# Altium PCB PCB1.PcbDoc (part 2 of 3) (continued)
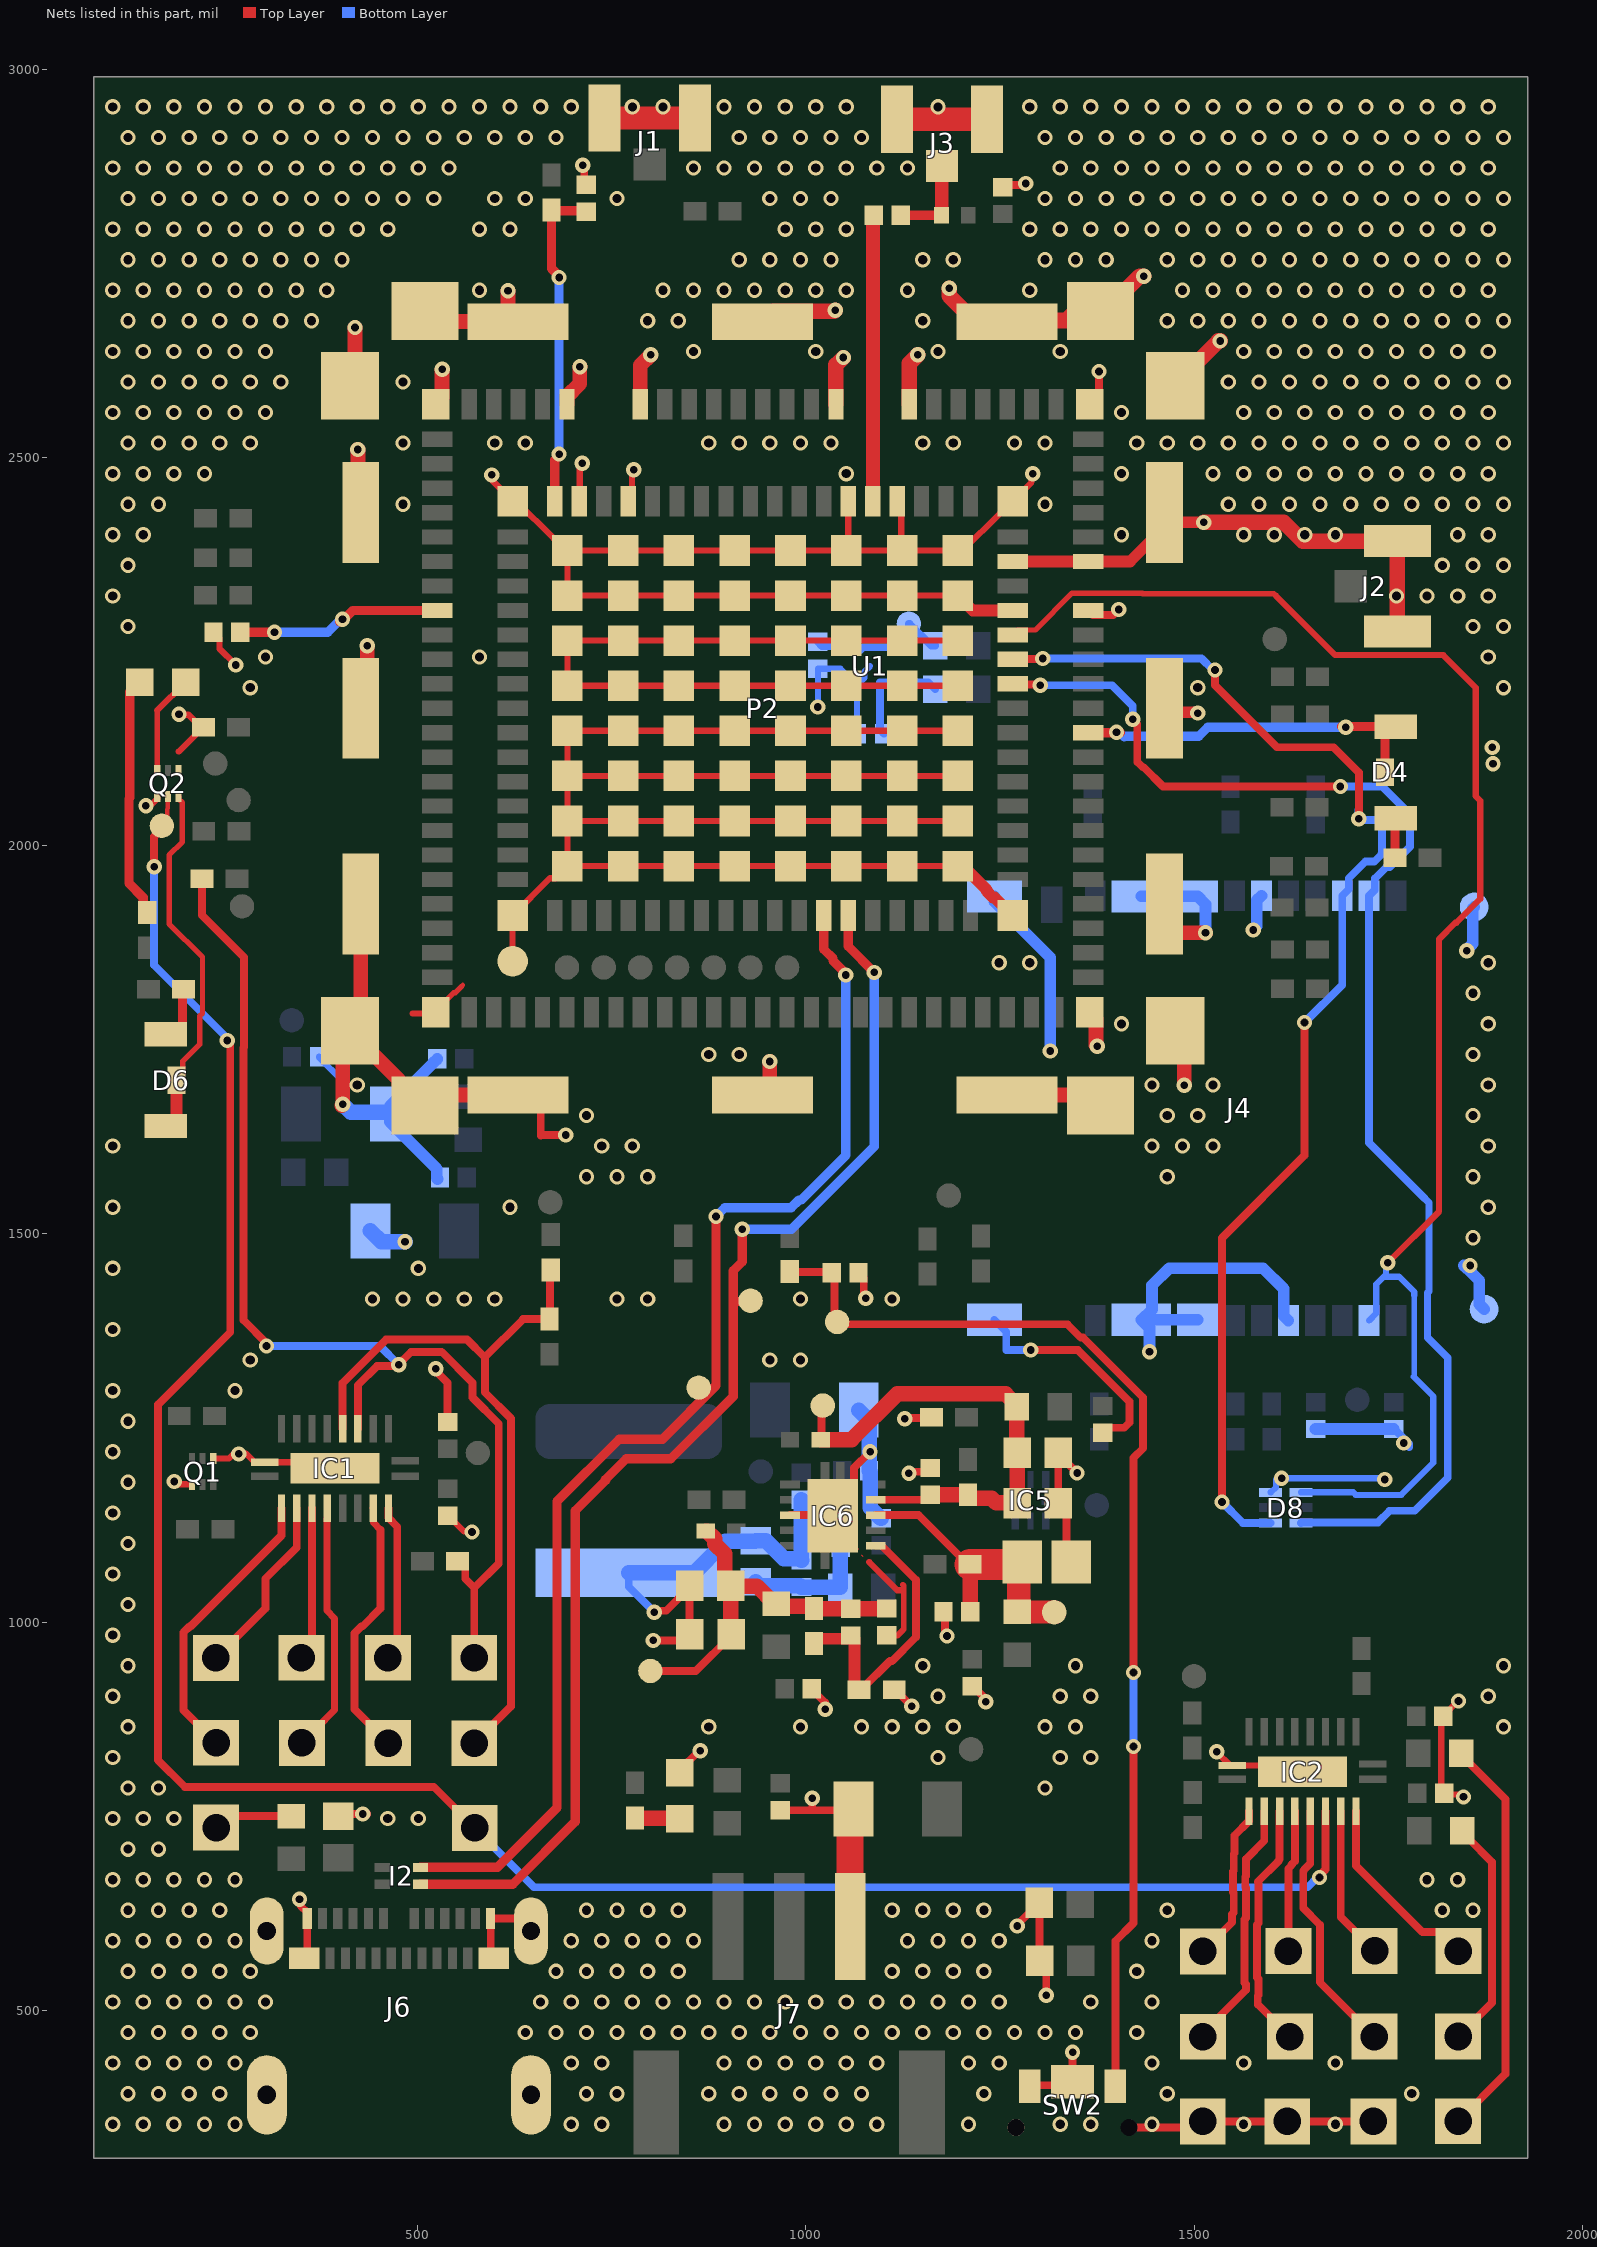
[diagram p2: the nets of this part, all layers, seen from the top]
## Nets (pads, with @x,y where several pads share a name; then routed paths per layer and width w, separated by ;. In a path a pad name is that pad's centre, name@x,y a point inside that pad or via, vN(x,y) a via of type N, cw(c..) or ccw(c..) an arc to the next point about the centre after c; other vN are vias at no path point) (continued)
  Top Layer w10: v2(347.6,643) 349.45,641.15 349.45,634.2 357.61,626.04 357.61,570.92 J6.B12@353.67,566.98 ; C71.1@397.34,749.89 400.25,752.8 v2(429,752.8) v2@434.8,752.8 ; v2(523,1326.2) 523,1325.18 522.2,1324.38 538.32,1308.26 C1.2@538.32,1257.72 ; J6.B1@597.77,566.98 593.83,570.92 J6.A12@593.83,618.17 630.41,618.17 645.8,602.78 J6.S2@645.8,602.02 ; P2.P9@629.21,1678.99 639.83,1678.99 658.45,1660.36 658.45,1626.6 659.25,1627.4 v2(690.6,1627.4) ; v2(712.6,2876.6) 714.45,2874.75 714.45,2853.87 C23.1@717,2851.32 ; v2(803.4,976.4) 842.45,976.4 C48.1@850.45,984.4 850.05,984.8 C47.1@850.05,1046.6 850.05,1044.63 819.87,1014.45 806.25,1014.45 v2(804.4,1012.6) ; D9.2@837.41,806.12 837.41,809.46 862.35,834.4 v2(864,834.4) ; C70.1@966.6,757.68 1008.2,757.68 ; IC6.8@979.6,1137.8 1033.54,1137.8 IC6.11@1034.32,1137.01 1061.82,1164.51 1061.82,1198.62 v2(1082.6,1219.4) ; C44.1@1007.46,914.28 1007.46,913.5 1024.38,896.58 1024.38,888.22 v2(1025,887.6) ; v2(1008.2,773.2) 1008.2,757.68 ; C69.1@1056.45,754.39 1053.16,757.68 1008.2,757.68 ; C28.1@1067.72,1450.2 1074.52,1443.4 1074.52,1421.24 1077,1418.77 v2(1077,1417) ; R48.1@1113.68,913 1114.82,913 v2(1136.2,891.6) ; v2(1127.4,1261.8) 1128.4,1262.8 1160.56,1262.8 R43.1@1161.56,1263.8 ; v2(1132.6,1191.8) 1134.45,1193.65 1155.11,1193.65 C37.1@1159.94,1198.49 ; C42.1@1177.08,1013.2 1179.11,1011.16 1179.11,984.49 v2(1181.6,982) ; C40.1@1214.2,917.35 1214.99,917.35 1229.55,902.79 1229.55,899.05 v2(1231.4,897.2) ; C8.2@1253.2,2848.25 1256.1,2851.15 1281.35,2851.15 v2(1283.2,2853) ; v2(1272.17,608.57) 1272.17,610.05 1300.29,638.17 C11.1@1300.29,638.31 1300.93,637.68 C12.1@1300.93,563.83 1309.6,555.16 v2(1309.6,519.2) ; SW2.1@1288.32,402.15 1289.5,403.33 1320.88,403.33 SW2.3@1325.6,408.06 ; v2(1289.4,1350.4) 1350.29,1350.4 1416.56,1284.13 1416.56,1256.93 1410,1250.37 1389.1,1250.37 C38.1@1382.4,1243.68 ; C39.1@1325,1216.21 v2(1349.2,1192) ; C39.1@1324.99,1218.19 C36.1@1324.99,1153.23 1335.6,1142.62 1335.6,1083.37 C41.1@1341.72,1077.24 ; SW2.3@1343.43,408.06 v2(1343.43,445.97) ; P2.111@1363.46,2303 1369.26,2297.2 1395.8,2297.2 v2(1402.8,2304.2) ; P2.169@1365.43,2568.75 1377.4,2580.72 v2(1377.4,2610.8) ; SW2.5@1416.27,349 1503.18,349 H12.1@1510.98,356.8 H10.1@1619.98,356.8 H14.1@1730.98,356.8
  Top Layer w15: P2.192@1195.64,1973.77 1202.53,1973.77 1233.03,1943.27 1233.03,1941.11 1240.94,1933.2 1243.1,1933.2 P2.68@1266.22,1910.09 ; P2.186@1195.64,2322.19 1214.84,2303 P2.30@1266.22,2303 ; P2.32@1266.22,2365.99 P2.113@1363.46,2365.99 1417.38,2365.99 1461.89,2410.5 P2.P14@1461.89,2428.99 1474.47,2416.4 v2(1512.2,2416.4) ; P2.P13@1461.89,2177.02 1466.95,2171.95 1503.65,2171.95 v2(1504.8,2170.8)
  Top Layer w19: v2@402,1665.4 v2(403.4,1666.8) 403.4,1752.39 P2.P8@412.67,1761.66 ; P2.P7@412.67,2592.37 419.2,2598.9 v2(419.2,2667.4) ; v2(422.8,2510.4) 422.93,2510.27 422.93,2432.51 P2.P18@426.45,2428.99 ; P2.P20@426.45,1925.05 426.45,1775.44 P2.P8@412.67,1761.66 ; P2.P19@426.45,2177.02 434.87,2185.43 434.87,2257.27 v2(435,2257.4) ; P2.P6@509.13,2688.83 522.91,2675.05 P2.P17@629.21,2675.05 616.2,2688.06 v2(616.2,2714.8) ; P2.170@522.91,2568.75 531.13,2576.97 531.13,2612.94 531.6,2613.41 v2(531.6,2613.6) ; P2.P9@629.21,1678.99 522.91,1678.99 P2.P1@509.13,1665.21 503.22,1665.21 475.32,1693.11 475.32,1698.34 412.67,1760.99 P2.P8@412.67,1761.66 ; P2.139@692.2,2568.75 692.2,2578.59 708.67,2595.06 708.67,2616.87 v2(708.8,2617) ; P2.136@786.69,2568.75 786.69,2618.7 800,2632.01 v2(800,2632.2) ; P2.P10@944.17,1678.99 953.4,1688.22 v2(953.4,1722) ; P2.P11@1259.13,1678.99 1365.43,1678.99 P2.P2@1379.21,1665.21 ; P2.168@1365.43,1785.28 1373.64,1777.07 1373.64,1743.34 1375,1741.99 v2(1375,1741.8) ; P2.P12@1461.89,1925.05 1461.89,1902.12 1476.01,1888 v2(1514.6,1888) ; P2.P3@1475.66,1761.66 1487.4,1749.93 v2(1487.4,1691.4)
  Top Layer w20: P2.P16@944.17,2675.05 957.79,2688.67 1036.67,2688.67 v2(1037.6,2689.6) ; P2.128@1038.66,2568.75 1038.66,2619.26 v2(1048.2,2628.8) ; P2.125@1133.14,2568.75 1133.14,2621.34 v2(1144,2632.2) ; v2(1184.6,2718) 1184.6,2708.24 1217.79,2675.05 P2.P15@1259.13,2675.05 1260.55,2676.47 1334.72,2676.47 1347.08,2688.83 1385.11,2688.83 1429.69,2733.4 v2(1435,2733.4) ; P2.P4@1475.66,2592.37 1475.66,2594.45 1531.32,2650.11 v2(1533.4,2650.11) ; v2(1512.2,2416.4) 1615.6,2416.4 1639.73,2392.27 J2.2@1761.8,2392.27 J2.1@1761.8,2276.13
  Top Layer w30: J1.2@740.73,2942.87 746.4,2937.2 851.2,2937.2 856.87,2942.87 J1.1@856.87,2945 ; J3.2@1120.13,2938.34 1122.87,2935.6 1230.07,2935.6 J3.1@1236.27,2941.8
  Top Layer w35: C69.1@1056.45,754.39 1056.7,754.14 J7.3@1056.7,602.79
  Bottom Layer w8: C65.1@372.72,1728.4 372.72,1727.61 403.4,1696.94 v2(403.4,1666.8) ; v2(1015.31,2178.68) C35.1@1015.31,2227.91 1044.38,2227.91 1065.79,2206.5 ; C34.1@1065.79,2144.44 1065.79,2206.5 ; U1.5@1082.47,2231.39 1075.51,2224.44 1075.51,2216.23 1065.79,2206.5 ; D8.6@1598.31,1167.09 1598.9,1167.09 1605.48,1173.67 1605.48,1183.68 1607,1185.2 v2(1612.6,1185.2) 1744,1185.2 v2(1745.6,1183.6)
  Bottom Layer w10: C55.2@771.81,1063.51 771.81,1045.61 804.4,1013.03 v2(804.4,1012.6) ; J4.G5@1242.6,1389.4 1258.05,1373.95 1258.05,1350.4 v2(1289.4,1350.4) ; C30.2@1757.14,1248.64 1757.92,1248.64 1776.95,1229.61 1776.95,1225.65 1772,1230.6 v2(1769.8,1230.6)
  Bottom Layer w15: C51.1@525,1725.8 525,1725.01 520.69,1720.7 520.32,1720.7 463.79,1664.17 C64.1@463.79,1654.33 463.79,1644.49 524.29,1583.99 524.29,1571.9 C50.1@525.43,1570.76 ; J4.G4@1242.6,1934.68 1242.6,1928.19 1314.8,1855.99 v2(1314.8,1735.6) ; J4.G3@1431.97,1934.68 J4.G2@1504.41,1934.68 1514.6,1924.49 v2(1514.6,1888) ; v2(1442.4,1348.2) 1442.4,1378.97 J4.G6@1431.97,1389.4 ; J4.G7@1504.41,1389.4 J4.G6@1431.97,1389.4 ; v2(1576.2,1891.4) 1576.2,1891.71 1580.81,1896.32 1580.81,1929.77 J4.T6@1586.69,1935.66 ; J4.S5@1621.34,1388.42 1615.45,1394.3 1615.45,1429.23 1588.74,1455.94 1467.73,1455.94 1445.65,1433.86 1445.65,1402.57 1432.48,1389.4 J4.G6@1431.97,1389.4 ; C33.1@1656.34,1248.64 C30.2@1757.14,1248.64 ; v2(1851.2,1864.8) 1851.2,1866.07 1858.96,1873.83 1858.96,1919.34 J4.G1@1860.71,1921.09 ; v2(1855.4,1459.2) 1847.33,1459.2 1850.38,1456.15 1851.01,1456.15 1867.16,1440.01 1867.16,1409.33 J4.G8@1873.51,1402.98
  Bottom Layer w20: v2(403.4,1666.8) 413.36,1656.84 461.28,1656.84 C64.1@463.79,1654.33 ; C49.1@438.99,1503.94 452.92,1490 v2(483.6,1490) ; C55.2@771.81,1063.51 856.36,1063.51 892,1099.15 892,1099.74 896.24,1103.98 934.41,1103.98 C58.1@935.2,1104.77 948.47,1104.77 971.66,1081.58 992.44,1081.58 C56.1@994.25,1079.77 ; C56.1@993.86,1080.17 994.06,1080.36 994.06,1157.53 C61.1@993.86,1157.73 ; C59.1@1067.88,1273.08 1081.26,1259.69 C60.1@1081.26,1194.73 1082.9,1193.1 1082.9,1147.03 1096.22,1133.71 C57.1@1097.01,1133.71
  other v1: 107.07,353.22 146.44,353.22 185.81,353.22 225.18,353.22 264.55,353.22 697.62,353.22 736.99,353.22 894.47,353.22 933.84,353.22 973.21,353.22 1012.58,353.22 1051.95,353.22 1091.32,353.22 1209.43,353.22 1327.54,353.22 1366.91,353.22 1445.65,353.22 1563.76,353.22 1681.87,353.22 126.75,392.59 166.12,392.59 205.49,392.59 244.86,392.59 717.3,392.59 756.67,392.59 874.78,392.59 914.15,392.59 953.52,392.59 992.89,392.59 1032.27,392.59 1071.64,392.59 1229.12,392.59 1465.34,392.59 1780.3,392.59 107.07,431.96 146.44,431.96 185.81,431.96 225.18,431.96 264.55,431.96 697.62,431.96 736.99,431.96 894.47,431.96 933.84,431.96 973.21,431.96 1012.58,431.96 1051.95,431.96 1091.32,431.96 1209.43,431.96 1248.8,431.96 1445.65,431.96 1563.76,431.96 1681.87,431.96 126.75,471.33 166.12,471.33 205.49,471.33 244.86,471.33 284.23,471.33 638.56,471.33 677.93,471.33 717.3,471.33 756.67,471.33 796.04,471.33 835.41,471.33 874.78,471.33 914.15,471.33 953.52,471.33 992.89,471.33 1032.27,471.33 1071.64,471.33 1111.01,471.33 1150.38,471.33 1189.75,471.33 1229.12,471.33 1268.49,471.33 1307.86,471.33 1347.23,471.33 1425.97,471.33 107.07,510.7 146.44,510.7 185.81,510.7 225.18,510.7 264.55,510.7 303.92,510.7 658.25,510.7 697.62,510.7 736.99,510.7 776.36,510.7 815.73,510.7 855.1,510.7 894.47,510.7 933.84,510.7 973.21,510.7 1012.58,510.7 1051.95,510.7 1091.32,510.7 1130.69,510.7 1170.06,510.7 1209.43,510.7 1248.8,510.7 1366.91,510.7 1445.65,510.7 126.75,550.07 166.12,550.07 205.49,550.07 244.86,550.07 284.23,550.07 677.93,550.07 717.3,550.07 756.67,550.07 796.04,550.07 835.41,550.07 1111.01,550.07 1150.38,550.07 1189.75,550.07 1229.12,550.07 1425.97,550.07 107.07,589.44 146.44,589.44 185.81,589.44 225.18,589.44 264.55,589.44 697.62,589.44 736.99,589.44 776.36,589.44 815.73,589.44 855.1,589.44 1130.69,589.44 1170.06,589.44 1209.43,589.44 1248.8,589.44 1445.65,589.44 126.75,628.81 166.12,628.81 205.49,628.81 244.86,628.81 717.3,628.81 756.67,628.81 796.04,628.81 835.41,628.81 1111.01,628.81 1150.38,628.81 1189.75,628.81 1229.12,628.81 1465.34,628.81 1819.67,628.81 1859.04,628.81 107.07,668.18 146.44,668.18 185.81,668.18 225.18,668.18 264.55,668.18 1799.98,668.18 1839.35,668.18 126.75,707.55 166.12,707.55 107.07,746.92 146.44,746.92 185.81,746.92 461.4,746.92 500.77,746.92 126.75,786.29 166.12,786.29 1307.86,786.29 107.07,825.66 1170.06,825.66 1327.54,825.66 1366.91,825.66 126.75,865.03 874.78,865.03 992.89,865.03 1071.64,865.03 1111.01,865.03 1150.38,865.03 1189.75,865.03 1307.86,865.03 1347.23,865.03 1898.41,865.03 107.07,904.4 1170.06,904.4 1327.54,904.4 1366.91,904.4 1878.72,904.4 126.75,943.77 1150.38,943.77 1347.23,943.77 1898.41,943.77 107.07,983.14 126.75,1022.51 107.07,1061.88 126.75,1101.25 107.07,1140.62 126.75,1179.99 107.07,1219.36 126.75,1258.73 107.07,1298.11 264.55,1298.11 284.23,1337.48 953.52,1337.48 992.89,1337.48 107.07,1376.85 441.71,1416.22 481.08,1416.22 520.45,1416.22 559.82,1416.22 599.19,1416.22 756.67,1416.22 796.04,1416.22 992.89,1416.22 1111.01,1416.22 107.07,1455.59 500.77,1455.59 1859.04,1494.96 107.07,1534.33 618.88,1534.33 1878.72,1534.33 717.3,1573.7 756.67,1573.7 796.04,1573.7 1465.34,1573.7 1859.04,1573.7 107.07,1613.07 736.99,1613.07 776.36,1613.07 1445.65,1613.07 1485.02,1613.07 1524.39,1613.07 1878.72,1613.07 717.3,1652.44 1465.34,1652.44 1504.71,1652.44 1859.04,1652.44 422.03,1691.81 1445.65,1691.81 1524.39,1691.81 1878.72,1691.81 874.78,1731.18 914.15,1731.18 1859.04,1731.18 1406.28,1770.55 1878.72,1770.55 1859.04,1809.92 1248.8,1849.29 1288.17,1849.29 1878.72,1849.29 284.23,2203.62 1504.71,2203.62 1898.41,2203.62 303.92,2242.99 579.51,2242.99 1878.72,2242.99 126.75,2282.36 1859.04,2282.36 1898.41,2282.36 107.07,2321.73 1760.61,2321.73 1799.98,2321.73 1839.35,2321.73 1878.72,2321.73 126.75,2361.1 1819.67,2361.1 1859.04,2361.1 1898.41,2361.1 107.07,2400.47 146.44,2400.47 1406.28,2400.47 1563.76,2400.47 1603.13,2400.47 1642.5,2400.47 1681.87,2400.47 1839.35,2400.47 1878.72,2400.47 126.75,2439.84 166.12,2439.84 481.08,2439.84 1307.86,2439.84 1544.08,2439.84 1583.45,2439.84 1622.82,2439.84 1662.19,2439.84 1701.56,2439.84 1740.93,2439.84 1780.3,2439.84 1819.67,2439.84 1859.04,2439.84 1898.41,2439.84 107.07,2479.21 146.44,2479.21 185.81,2479.21 225.18,2479.21 1051.95,2479.21 1406.28,2479.21 1524.39,2479.21 1563.76,2479.21 1603.13,2479.21 1642.5,2479.21 1681.87,2479.21 1721.24,2479.21 1760.61,2479.21 1799.98,2479.21 1839.35,2479.21 1878.72,2479.21 126.75,2518.58 166.12,2518.58 205.49,2518.58 244.86,2518.58 284.23,2518.58 481.08,2518.58 599.19,2518.58 638.56,2518.58 874.78,2518.58 914.15,2518.58 953.52,2518.58 992.89,2518.58 1032.27,2518.58 1150.38,2518.58 1189.75,2518.58 1268.49,2518.58 1307.86,2518.58 1425.97,2518.58 1465.34,2518.58 1504.71,2518.58 1544.08,2518.58 1583.45,2518.58 1622.82,2518.58 1662.19,2518.58 1701.56,2518.58 1740.93,2518.58 1780.3,2518.58 1819.67,2518.58 1859.04,2518.58 1898.41,2518.58 107.07,2557.95 146.44,2557.95 185.81,2557.95 225.18,2557.95 264.55,2557.95 303.92,2557.95 1406.28,2557.95 1563.76,2557.95 1603.13,2557.95 1642.5,2557.95 1681.87,2557.95 1721.24,2557.95 1760.61,2557.95 1799.98,2557.95 1839.35,2557.95 1878.72,2557.95 126.75,2597.32 166.12,2597.32 205.49,2597.32 244.86,2597.32 284.23,2597.32 323.6,2597.32 481.08,2597.32 1544.08,2597.32 1583.45,2597.32 1622.82,2597.32 1662.19,2597.32 1701.56,2597.32 1740.93,2597.32 1780.3,2597.32 1819.67,2597.32 1859.04,2597.32 1898.41,2597.32 107.07,2636.69 146.44,2636.69 185.81,2636.69 225.18,2636.69 264.55,2636.69 303.92,2636.69 855.1,2636.69 1012.58,2636.69 1170.06,2636.69 1327.54,2636.69 1563.76,2636.69 1603.13,2636.69 1642.5,2636.69 1681.87,2636.69 1721.24,2636.69 1760.61,2636.69 1799.98,2636.69 1839.35,2636.69 1878.72,2636.69 126.75,2676.06 166.12,2676.06 205.49,2676.06 244.86,2676.06 284.23,2676.06 323.6,2676.06 362.97,2676.06 796.04,2676.06 835.41,2676.06 1150.38,2676.06 1465.34,2676.06 1504.71,2676.06 1544.08,2676.06 1583.45,2676.06 1622.82,2676.06 1662.19,2676.06 1701.56,2676.06 1740.93,2676.06 1780.3,2676.06 1819.67,2676.06 1859.04,2676.06 1898.41,2676.06 107.07,2715.43 146.44,2715.43 185.81,2715.43 225.18,2715.43 264.55,2715.43 303.92,2715.43 343.29,2715.43 382.66,2715.43 579.51,2715.43 815.73,2715.43 855.1,2715.43 894.47,2715.43 933.84,2715.43 973.21,2715.43 1012.58,2715.43 1051.95,2715.43 1130.69,2715.43 1288.17,2715.43 1485.02,2715.43 1524.39,2715.43 1563.76,2715.43 1603.13,2715.43 1642.5,2715.43 1681.87,2715.43 1721.24,2715.43 1760.61,2715.43 1799.98,2715.43 1839.35,2715.43 1878.72,2715.43 126.75,2754.8 166.12,2754.8 205.49,2754.8 244.86,2754.8 284.23,2754.8 323.6,2754.8 362.97,2754.8 402.34,2754.8 914.15,2754.8 953.52,2754.8 992.89,2754.8 1032.27,2754.8 1150.38,2754.8 1189.75,2754.8 1307.86,2754.8 1347.23,2754.8 1386.6,2754.8 1465.34,2754.8 1504.71,2754.8 1544.08,2754.8 1583.45,2754.8 1622.82,2754.8 1662.19,2754.8 1701.56,2754.8 1740.93,2754.8 1780.3,2754.8 1819.67,2754.8 1859.04,2754.8 1898.41,2754.8 107.07,2794.17 146.44,2794.17 185.81,2794.17 225.18,2794.17 264.55,2794.17 303.92,2794.17 343.29,2794.17 382.66,2794.17 422.03,2794.17 461.4,2794.17 579.51,2794.17 618.88,2794.17 973.21,2794.17 1012.58,2794.17 1051.95,2794.17 1288.17,2794.17 1327.54,2794.17 1366.91,2794.17 1406.28,2794.17 1445.65,2794.17 1485.02,2794.17 1524.39,2794.17 1563.76,2794.17 1603.13,2794.17 1642.5,2794.17 1681.87,2794.17 1721.24,2794.17 1760.61,2794.17 1799.98,2794.17 1839.35,2794.17 1878.72,2794.17 126.75,2833.54 166.12,2833.54 205.49,2833.54 244.86,2833.54 284.23,2833.54 323.6,2833.54 362.97,2833.54 402.34,2833.54 441.71,2833.54 481.08,2833.54 520.45,2833.54 599.19,2833.54 638.56,2833.54 756.67,2833.54 953.52,2833.54 992.89,2833.54 1032.27,2833.54 1307.86,2833.54 1347.23,2833.54 1386.6,2833.54 1425.97,2833.54 1465.34,2833.54 1504.71,2833.54 1544.08,2833.54 1583.45,2833.54 1622.82,2833.54 1662.19,2833.54 1701.56,2833.54 1740.93,2833.54 1780.3,2833.54 1819.67,2833.54 1859.04,2833.54 1898.41,2833.54 107.07,2872.91 146.44,2872.91 185.81,2872.91 225.18,2872.91 264.55,2872.91 303.92,2872.91 343.29,2872.91 382.66,2872.91 422.03,2872.91 461.4,2872.91 500.77,2872.91 540.14,2872.91 855.1,2872.91 894.47,2872.91 933.84,2872.91 973.21,2872.91 1012.58,2872.91 1051.95,2872.91 1091.32,2872.91 1130.69,2872.91 1327.54,2872.91 1366.91,2872.91 1406.28,2872.91 1445.65,2872.91 1485.02,2872.91 1524.39,2872.91 1563.76,2872.91 1603.13,2872.91 1642.5,2872.91 1681.87,2872.91 1721.24,2872.91 1760.61,2872.91 1799.98,2872.91 1839.35,2872.91 1878.72,2872.91 126.75,2912.28 166.12,2912.28 205.49,2912.28 244.86,2912.28 284.23,2912.28 323.6,2912.28 362.97,2912.28 402.34,2912.28 441.71,2912.28 481.08,2912.28 520.45,2912.28 559.82,2912.28 599.19,2912.28 638.56,2912.28 677.93,2912.28 914.15,2912.28 953.52,2912.28 992.89,2912.28 1032.27,2912.28 1071.64,2912.28 1307.86,2912.28 1347.23,2912.28 1386.6,2912.28 1425.97,2912.28 1465.34,2912.28 1504.71,2912.28 1544.08,2912.28 1583.45,2912.28 1622.82,2912.28 1662.19,2912.28 1701.56,2912.28 1740.93,2912.28 1780.3,2912.28 1819.67,2912.28 1859.04,2912.28 1898.41,2912.28 107.07,2951.65 146.44,2951.65 185.81,2951.65 225.18,2951.65 264.55,2951.65 303.92,2951.65 343.29,2951.65 382.66,2951.65 422.03,2951.65 461.4,2951.65 500.77,2951.65 540.14,2951.65 579.51,2951.65 618.88,2951.65 658.25,2951.65 697.62,2951.65 776.36,2951.65 815.73,2951.65 894.47,2951.65 933.84,2951.65 973.21,2951.65 1012.58,2951.65 1051.95,2951.65 1170.06,2951.65 1288.17,2951.65 1327.54,2951.65 1366.91,2951.65 1406.28,2951.65 1445.65,2951.65 1485.02,2951.65 1524.39,2951.65 1563.76,2951.65 1603.13,2951.65 1642.5,2951.65 1681.87,2951.65 1721.24,2951.65 1760.61,2951.65 1799.98,2951.65 1839.35,2951.65 1878.72,2951.65
  other v2: 1885,2105.4 1884,2126.6
NetC7_1: C7.1 J3.3 L1.2 | length 121.5
  Top Layer w12: C7.1@1122,2812.2 1122.1,2812.1 1174.18,2812.1 1174.28,2812.2 L1.2@1174.48,2812
  Top Layer w18: L1.2@1174.48,2812 1174.87,2812.4 J3.3@1174.87,2880.68
NetC7_2: C7.2 P2.38 | length 368.9
  Top Layer w18: P2.38@1085.9,2443.95 1086.63,2444.67 1086.63,2811.47 C7.2@1087.35,2812.2
NetC21_2: C21.2 P2.151 | length 273.3
  Top Layer w12: C21.2@271.43,2274.95 271.56,2275.07 317.07,2275.07 317,2275 v2(315.4,2275) ; v2@399.6,2288.4 v2(403,2291.8) 405.08,2291.8 416.28,2303 P2.151@524.88,2303
  Bottom Layer w12: v2(315.4,2275) 384.12,2275 400.92,2291.8 v2(403,2291.8)
NetC23_2: C23.2 P2.51 R19.2 | length 426.6
  Top Layer w12: P2.51@676.45,2443.95 676.45,2496.77 682,2502.32 v2(682,2504.4) ; v2(682,2731.8) 682,2733.88 672.31,2743.57 R19.2@672.31,2818.67 673.31,2817.68 716,2817.68 C23.2@717,2816.68
  Bottom Layer w12: v2(682,2504.4) v2(682,2731.8)
NetC28_2: C28.2 R21.1 SW2.2 TP22.1 | length 1457.2
  Top Layer w10: R21.1@979.11,1451.35 979.69,1450.77 1032.5,1450.77 C28.2@1033.08,1450.2 1036.59,1446.68 1036.59,1390.07 TP22.1@1040.11,1386.55 1042.95,1383.72 1336.77,1383.72 1354.09,1366.4 1356.92,1366.4 1434.2,1289.12 1434.2,1223.88 1421.8,1211.48 v2(1421.8,935) ; SW2.2@1398.55,402.15 1398.55,589.06 1421.8,612.31 v2(1421.8,839.8)
  Bottom Layer w10: v2(1421.8,839.8) v2(1421.8,935)
NetC34_2: C34.2 L15.1 U1.1 | length 143.1
  Bottom Layer w10: C34.2@1100.44,2144.44 1095.51,2149.36 U1.1@1095.51,2210.64 1157.4,2210.64 L15.1@1166.6,2201.44
NetC35_2: C35.2 L14.1 TP27.1 U1.3 U1.4 | length 186.3
  Bottom Layer w10: C35.2@1015.31,2262.56 1020.68,2257.2 1042.91,2257.2 1048.47,2251.64 U1.3@1069.92,2251.64 1073.92,2255.64 1110,2255.64 1132.6,2278.24 TP27.1@1132.6,2286 1133.26,2286 1161.42,2257.84 L14.1@1166.6,2257.84
NetC36_2: C36.2 C37.2 C39.2 IC6.4 L2.1 L6.1 R42.1 TP28.1 | length 645.4
  Top Layer w10: L6.1@1018.82,1234.88 1020.12,1236.18 1020.12,1277.27 TP28.1@1021.74,1278.89 ; IC6.4@1089.84,1157.49 1089.91,1157.56 1153.66,1157.56 C37.2@1159.94,1163.84
  Top Layer w20: L6.1@1018.82,1234.88 1018.91,1234.98 1058.77,1234.98 1117.6,1293.8 1257.23,1293.8 1271.58,1279.45 L2.1@1271.58,1277.49 1271.71,1277.35 1271.71,1218.32 C39.2@1271.84,1218.19 C36.2@1271.84,1153.23 1271.47,1153.59 1245.16,1153.59 1239.55,1159.2 1210.41,1159.2 1208.6,1161.01 1208.6,1163.84 1208.54,1163.9 1160,1163.9 C37.2@1159.94,1163.84
NetC41_2: C41.2 C42.2 IC6.3 L5.2 R44.1 TP30.1 | length 388
  Top Layer w10: IC6.3@1089.84,1137.8 1145.09,1137.8 1208.48,1074.4 R44.1@1211.44,1074.4
  Top Layer w20: R44.1@1211.44,1074.4 1211.58,1074.26 1211.58,1013.34 C42.2@1211.72,1013.2
  Top Layer w30: C41.2@1274.09,1073.52 1274.09,1013.79 1273.34,1013.04 L5.2@1271.94,1013.04 1272.12,1012.86 1319.76,1012.86 TP30.1@1319.94,1012.69
  Top Layer w40: R44.1@1211.44,1074.4 1275.89,1074.4 C41.2@1278.73,1077.24
NetC43_2: C43.2 C45.2 C47.2 C48.2 L3.2 L4.1 R46.2 TP29.1 | length 478.5
  Top Layer w10: TP29.1@799.6,937 858.17,937 903.6,982.43 C48.2@903.6,984.4
  Top Layer w20: L3.2@870.91,1117.2 L3.2@872.57,1117.2 ; L3.2@872.73,1117.04 882.47,1107.29 882.47,1100.73 895.48,1087.72 895.48,1054.32 C47.2@903.2,1046.6 ; C48.2@903.6,984.4 903.4,984.6 903.4,1046.4 C47.2@903.2,1046.6 ; C45.2@1050.37,1017.37 R46.2@1010.4,1017.44 1010.4,1018.59 1008.59,1020.4 969.32,1020.4 965.2,1024.52 958.47,1024.52 936.76,1046.24 903.56,1046.24 C47.2@903.2,1046.6 ; C45.2@1057.4,1017.32 1057.5,1017.42 1103.9,1017.42 C43.2@1104,1017.52
NetC45_1: C45.1 IC6.1 R46.1 R48.2 | length 369.8
  Top Layer w10: R48.2@1071.59,913.24 1108.22,949.87 1110.96,949.87 1141.6,980.51 1141.6,1054.38 1097.55,1098.43 IC6.1@1089.84,1098.43
  Top Layer w15: R46.1@1010.4,972.16 1010.4,974.06 1014.71,978.37 1053.88,978.37 1058.19,982.68 1062.5,978.37 1062.5,917.31 1066.81,913 R48.2@1068.4,913
NetC56_2: C56.2 C58.2 L8.2 R49.1 | length 165.3
  Bottom Layer w20: C58.2@935.2,1051.62 939.88,1046.94 992.44,1046.94 C56.2@994.25,1045.13 L8.2@1044.25,1045.13 1044.45,1045.32 1044.45,1098.28 R49.1@1044.65,1098.47
NetD4_1: D4.1 D4.3 P2.106 | length 469.4
  Top Layer w12: P2.106@1363.46,2145.52 1404.68,2145.52 1404,2146.2 v2(1400,2146.2) ; v2@1690.06,2153.46 D4.1@1755.55,2153.46 ; D4.3@1745.8,2094.4 1745.8,2143.71 D4.1@1755.55,2153.46 ; D4.1@1759.58,2153.46 D4.1@1755.55,2153.46
  Bottom Layer w12: 1409.91,2140.31 1410.56,2140.96 1430.05,2140.96 1430.13,2141.04 1505.93,2141.04 1517.49,2152.6 v2(1695.4,2152.6)
NetD4_2: D4.2 R18.1 | length 51.2
  Top Layer w12: R18.1@1758.6,1984.6 1758.6,2034.37 D4.2@1759.58,2035.34
NetD6_1: D6.1 D6.3 Q2.3 | length 474.1
  Top Layer w7: D6.3@189.2,1698 197.51,1706.31 197.51,1722.4 219.06,1743.95 219.06,1780.53 222.7,1784.18 222.7,1856.4 179.8,1899.31 179.8,1988 196.85,2005.05 196.85,2055.58 191.98,2060.45 Q2.3@191.98,2063.4
  Top Layer w15: D6.1@175.42,1638.94 180.95,1638.94 189.2,1647.19 D6.3@189.2,1698
NetD6_2: D6.2 R32.1 | length 74.6
  Top Layer w12: D6.2@175.42,1757.06 187.23,1757.06 196.98,1766.8 196.98,1813.74 R32.1@198.44,1815.2
NetD7_1: D7.1 R33.1 | length 312.4
  Top Layer w12: D7.1@141.6,2210.8 128.96,2198.16 128.96,2061.65 127.96,2060.65 127.96,1951.64 146.21,1933.39 146.21,1919.23 R33.1@151.6,1913.84
NetD7_2: D7.2 Q2.6 | length 129.1
  Top Layer w7: Q2.6@164.42,2096.86 164.42,2174.17
  Top Layer w8: 164.42,2174.17 D7.2@201.05,2210.8
NetD8_1: D8.1 J4.S2 P2.29 | length 2013.6
  Top Layer w7: P2.29@1266.22,2271.51 1272.56,2277.85 1295.34,2277.85 1342.72,2325.22 1433,2325.22 1433.86,2324.36 1602.84,2324.36 1605.36,2321.84
  Top Layer w8: 1605.36,2321.84 1681.74,2245.46 1820.74,2245.46 1862.64,2203.56 1862.64,2063.9 1868.52,2058.02 1868.52,1931.39 1837.77,1900.64 1836.35,1900.64 1815.36,1879.65 1815.36,1528.76 v2(1749.4,1462.8)
  Bottom Layer w7: 1783.4,1315.96 1783.4,1421.03
  Bottom Layer w8: D8.1@1637.69,1167.09 1704.92,1167.09 1708.25,1163.76 1766.62,1163.76 1808.06,1205.2 1808.06,1290.62 1782.72,1315.96 ; J4.S2@1725.28,1388.42 1734.66,1397.8 1734.66,1435.26 1744.12,1444.72 ; v2(1749.4,1462.8) 1747.16,1460.56 1747.16,1447.76 1744.12,1444.72 ; 1783.4,1421.03 1783.4,1425.26 1763.94,1444.72 1744.12,1444.72
NetD8_3: D8.3 J4.S3 P2.27 | length 1755.8
  Top Layer w10: P2.27@1266.22,2208.51 1267.07,2207.66 1300.74,2207.66 v2(1301.6,2206.8) ; v2(1421,2162.8) 1426.8,2157 1426.8,2107.96 1433.71,2101.06 1435.12,2101.06 1459.89,2076.29 1688.31,2076.29 v2(1688.4,2076.2)
  Bottom Layer w9: 1796.72,1545.91 1802.5,1540.13 1802.5,1426 1800.75,1424.25 1800.75,1400.22 1800.75,1366.39
  Bottom Layer w10: v2(1301.6,2206.8) 1394.2,2206.8 1421,2180 v2(1421,2162.8) ; D8.3@1637.69,1127.71 1638.18,1128.2 1736.67,1128.2 1751.71,1143.24 1784.04,1143.24 1826.64,1185.84 1826.64,1340.49 1800.75,1366.39 ; v2(1688.4,2076.2) 1742.4,2076.2 1778,2040.6 1778,1998.6 1751.8,1972.4 1747.42,1972.4 1732.62,1957.6 1732.62,1943 J4.S3@1725.28,1935.66 1725.28,1617.35 1796.72,1545.91
NetD8_4: D8.4 J4.S7 P2.28 | length 1661.4
  Top Layer w10: P2.28@1266.22,2240.01 1266.81,2240.6 1304.2,2240.6 v2(1304.8,2241.2) ; v2(1526.8,2226.4) 1526.8,2206.8 1606.7,2126.9 1679.5,2126.9 1712.18,2094.22 v2(1712.18,2034.88) ; v2(1535.8,1154.6) 1535.8,1494.7 1642.2,1601.1 v2(1642.2,1772.2)
  Bottom Layer w10: v2(1304.8,2241.2) 1509.38,2241.2 1524.18,2226.4 v2(1526.8,2226.4) ; v2(1535.8,1154.6) 1562.69,1127.71 D8.4@1598.31,1127.71 ; v2(1642.2,1772.2) 1690.63,1820.63 J4.S7@1690.63,1935.66 1699.02,1944.05 1699.02,1958.03 1720.53,1979.54 1731.93,1979.54 1740.79,1988.4 1741,1988.4 1742.12,1989.52 1742.12,2026.95 1736.03,2033.03 1714.03,2033.03 v2(1712.18,2034.88) 1711.6,2035.46 1711.6,2046.4
NetD9_1: D9.1 R50.1 | length 58.1
  Top Layer w20: R50.1@779.8,747.8 780.37,747.23 836.84,747.23 D9.1@837.41,746.67
NetH1_1: H1.1 IC2.17 Q2.2 TP24.1 | length 2986.6
  Top Layer w6: TP24.1@177.1,2028.5 177.1,2047.07 178.14,2048.12 Q2.2@178.14,2063.4
  Top Layer w8: TP24.1@172.6,2024 TP24.1@177.1,2028.5
  Top Layer w10: v2(160.4,1973) 160.4,2011.8 TP24.1@172.6,2024 ; v2(254.4,1749) 255.4,1749 258.44,1745.96 258.44,1373.21 165.36,1280.13 165.36,822.2 199.89,787.67 520.53,787.67 H1.1@573.4,734.8 ; v2(1661.4,671) 1661.4,673.62 1669.13,681.35 IC2.17@1669.13,756.22
  Bottom Layer w10: v2(160.4,1973) 160.4,1846.2 255.4,1751.2 254.4,1750.2 v2(254.4,1749) ; H1.1@573.4,734.8 649.67,658.53 1646.31,658.53 1658.78,671 v2(1661.4,671)
NetH2_1: H2.1 IC2.15 | length 183.5
  Top Layer w10: H2.1@1621.4,576.2 1621.4,682.21 1624.56,685.37 1624.56,686.26 1626.07,687.77 1626.07,688.29 1629.76,691.98 IC2.15@1629.76,756.22
NetH3_1: H3.1 IC2.16 | length 331.9
  Top Layer w10: IC2.16@1649.44,756.22 1649.44,689.04 1642.07,681.67 1642.07,681.15 1640.56,679.63 1640.56,631.65 1661.93,610.28 1661.93,536.27 H3.1@1732.2,466
NetH4_1: H4.1 L11.2 | length 102.7
  Top Layer w10: H4.1@240.2,735.2 255.04,750.04 L11.2@336.74,750.04
NetH5_1: H5.1 IC2.18 | length 198
  Top Layer w10: IC2.18@1688.81,756.22 1688.81,620.19 H5.1@1732.6,576.4
NetH6_1: H6.1 L12.2 | length 285.9
  Top Layer w10: H6.1@1840,466.2 1883.55,509.75 1883.55,690.84 L12.2@1852.96,721.43
NetH7_1: H7.1 IC2.19 | length 247.5
  Top Layer w10: IC2.19@1708.5,756.22 1708.5,686.2 1793.97,600.73 1815.87,600.73 H7.1@1840.4,576.2
NetH8_1: H8.1 L13.2 | length 522.7
  Top Layer w10: H8.1@1840,357 1901,418 1901,771.79 1843.96,828.83 L13.2@1843.96,830.8
NetH9_1: H9.1 IC1.18 | length 339.2
  Top Layer w9: IC1.18@442.54,1146.68 442.76,1146.45 442.76,1128.02 452,1118.79
  Top Layer w10: 452,1118.79 452,1017.6 428.93,994.53 427.52,994.53 418.45,985.46 418.45,887.75 H9.1@462,844.2
NetH11_1: H11.1 IC1.19 | length 202.4
  Top Layer w10: H11.1@461.6,954 473.6,966 473.6,1122.86 462.23,1134.23 IC1.19@462.23,1146.68
NetH13_1: H13.1 IC2.12 | length 205.9
  Top Layer w10: H13.1@1511.2,575.8 1548.87,613.47 1548.87,623.54 1550.87,625.54 1550.87,651.06 1549.87,652.06 1549.87,678.56 1550.87,679.56 1550.87,701.53 1551.87,702.53 1551.87,724.95 1570.7,743.78 IC2.12@1570.7,756.22
NetH15_1: H15.1 IC2.13 | length 325.7
  Top Layer w10: H15.1@1511.2,465.8 1511.2,470.51 1566.87,526.18 1566.87,533.49 1564.87,535.49 1564.87,616.91 1566.87,618.91 1566.87,657.68 1565.87,658.68 1565.87,671.94 1566.87,672.94 1566.87,694.9 1590.39,718.42 IC2.13@1590.39,756.22
NetH16_1: H16.1 IC1.5 R12.1 R15.2 | length 973.3
  Top Layer w10: IC1.5@403.17,1249.03 403.17,1307.97 459.2,1364 563.4,1364 586.41,1340.99 ; H16.1@572.8,844 620.15,891.35 620.15,1262.16 586.41,1295.89 586.41,1340.99 ; R15.2@671.31,1453.71 670.46,1452.86 670.46,1391.06 R12.1@669.6,1390.2 635.63,1390.2 586.41,1340.99
NetH17_1: H17.1 IC1.4 R14.2 R17.1 | length 1489.9
  Top Layer w10: R14.2@222.04,1957.35 222.04,1910.5 276.24,1856.29 276.24,1740.37 275.64,1739.77 275.64,1388.76 305.2,1359.2 v2(305.2,1355.6) ; IC1.4@422.86,1249.03 422.86,1305.03 447.57,1329.75 473.15,1329.75 491.4,1348 530.68,1348 570.41,1308.26 570.41,1289.26 604.15,1255.53 604.15,1075.39 572.8,1044.04 ; R17.1@541.04,1075.8 556.59,1075.8 561,1071.39 561,1055.84 572.8,1044.04 ; H17.1@572.8,954 572.8,1044.04
  Bottom Layer w10: v2(305.2,1355.6) 451.4,1355.6 v2(475.4,1331.6)
NetH18_1: H18.1 IC1.12 | length 372.5
  Top Layer w10: H18.1@240.2,844.6 198.27,886.53 198.27,986.68 205.92,994.33 207.33,994.33 324.43,1111.42 IC1.12@324.43,1146.68
NetH19_1: H19.1 IC1.13 | length 236
  Top Layer w10: H19.1@240,953.8 303.76,1017.56 303.76,1055.72 344.12,1096.08 IC1.13@344.12,1146.68
NetH20_1: H20.1 IC1.14 | length 198.3
  Top Layer w10: H20.1@350.2,954 363.8,967.6 IC1.14@363.8,1146.68
NetH21_1: H21.1 IC1.15 | length 324.1
  Top Layer w9: H21.1@369.9,863.5 392.94,886.54 392.94,1004.83 382.93,1014.83 382.93,1133.13 383.49,1133.68 IC1.15@383.49,1146.68
  Top Layer w10: H21.1@350.8,844.4 H21.1@369.9,863.5
NetH22_1: H22.1 IC2.14 | length 321.6
  Top Layer w10: IC2.14@1610.07,756.22 1610.07,694.4 1608.56,692.89 1608.56,692 1581.87,665.31 1582.87,664.31 1582.87,612.28 1580.87,610.28 1580.87,542.12 1582.87,540.12 1582.87,519.56 1581.87,518.56 1581.87,507.53 H22.1@1623.4,466
NetI2_3: I2.3 P2.13 TP14.1 | length 1666.5
  Top Layer w12: I2.3@503.61,662.4 622.2,662.4 702.8,743 702.8,1143.26 742.07,1182.53 ; 741.36,1183.24 768.36,1210.23 825.99,1210.23 906.2,1290.45 906.2,1412.8 ; v2(918,1505.8) 918,1464.16 906.2,1452.36 906.2,1412.8 ; TP14.1@928.6,1414 927.4,1412.8 906.2,1412.8 ; P2.13@1054.4,1910.09 1054.48,1910.02 1054.48,1870.32 v2(1088,1836.8)
  Bottom Layer w12: v2(918,1505.8) 981.35,1505.8 1088,1612.45 v2(1088,1836.8)
NetI2_4: I2.4 P2.12 TP15.1 | length 1607
  Top Layer w12: I2.4@503.61,684.05 602.65,684.05 679.34,760.74 679.34,1155.54 759.4,1235.6 815.2,1235.6 884.2,1304.6 v2(884.2,1522.4) ; P2.12@1022.91,1910.09 1022.91,1866.78 1034.78,1854.91 1034.78,1851.9 1051.2,1835.48 v2(1051.2,1833.4)
  Bottom Layer w12: v2(884.2,1522.4) 895.4,1533.6 980.86,1533.6 991.02,1543.76 993.85,1543.76 1051.2,1601.11 v2(1051.2,1833.4)